# Altium PCB PCB.PcbDoc (part 2 of 3)
Units mm, origin at the board's own origin, x right, y up, seen from the top; angles counter-clockwise.
Board outline 229 x 100 mm, 2 copper layers (Top Layer 1, Bottom Layer 2), stack 1.58 mm thick; 164 components, 97 nets, 426 pads, 699 vias.
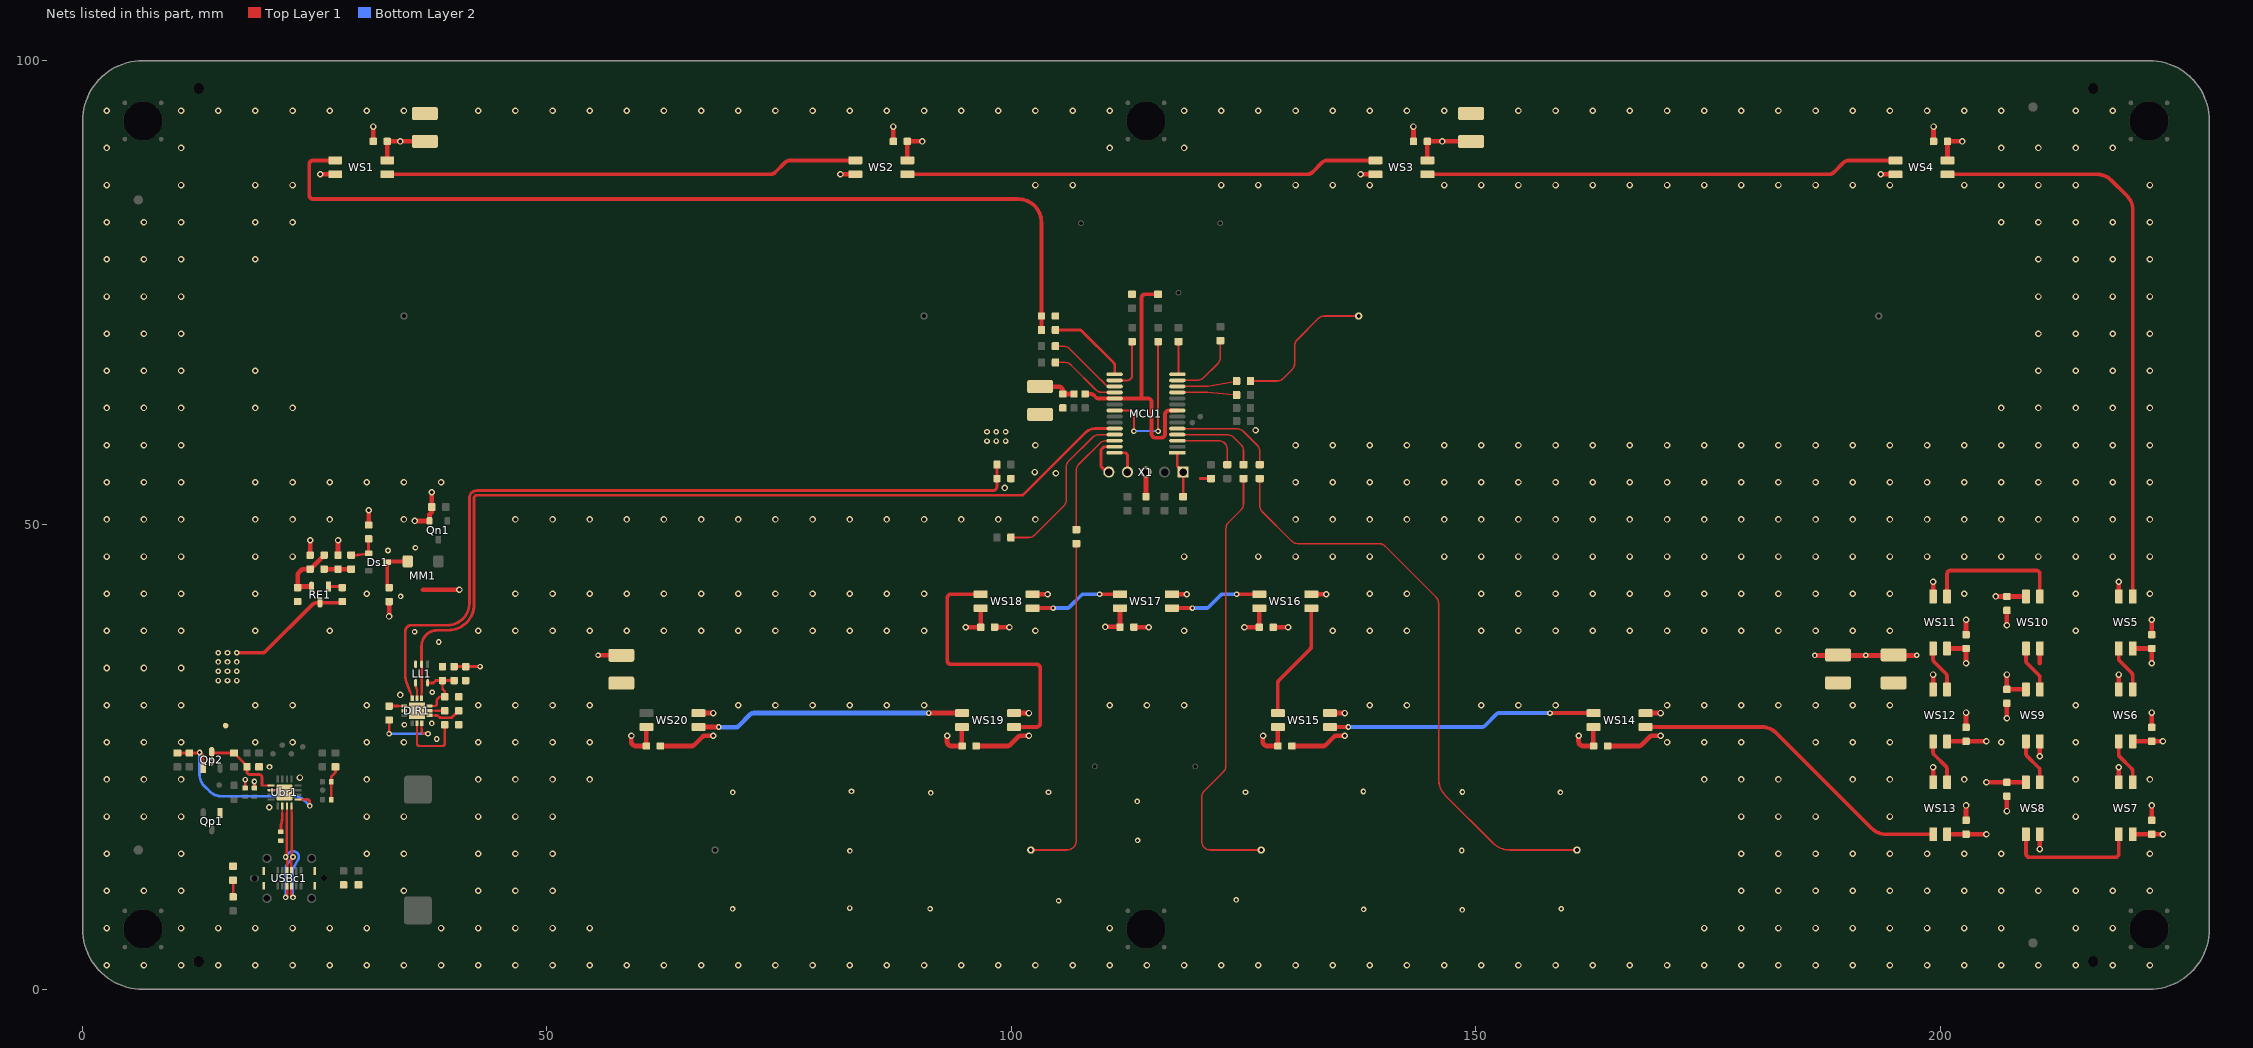
[diagram p2: the nets of this part, all layers, seen from the top]

## Part data (continued)
C5 C18 C19 C20 C21 C22: library part "TANTAL-B 100uF 6.3V (B)", "Tantalum Capacitors 100uF 6.3V CASE-B_3528 RoHS", Case/Package=CASE-B_3528, Lifetime @ Temp=2000Hrs@105℃, Manufacturer 1=AVX, Manufacturer Part Number 1=TAJB107K006RNJ, Supplier Part Number 1=C16133, Voltage=6.3V, Assembly type="Basic Part", Detailed Description="Tantalum Capacitors 100uF 6.3V CASE-B_3528 RoHS", Footprint check status=Verified, HelpURL=https://datasheet.lcsc.com/szlcsc/AVX-TAJB107K006RNJ_C16133.pdf, MountType=SMD, Note="Tantalum Capacitors", Publisher="Catcatcat Electronics", QuantityElements=1, Supplier 1=LCSC, Supplier Unit Price 1=0.1177, Supplier URL 1=https://jlcpcb.com/parts/componentSearch?searchTxt=, website developer=http://catcatcat.d-lan.dp.ua/
C8 C11 C16 C17: library part "0603 1.0 uF 50V (B)", "1.0 uF ±10% 50V X5R", Case/Package=0603, Manufacturer 1="Samsung Electro-Mechanics", Manufacturer Part Number 1=CL10A105KB8NNNC, Operating Temperature="-55C to +125C", Supplier Part Number 1=C15849, Temperature Coefficient=X5R, Tolerance=±10%, Voltage=50V, Assembly type="Basic Part", Detailed Description="50V 1uF X5R ±10% 0603  Multilayer Ceramic Capacitors MLCC - SMD/SMT ROHS", Footprint check status=Verified, HelpURL=https://datasheet.lcsc.com/szlcsc/Samsung-Electro-Mechanics-CL10A105KB8NNNC_C15849.pdf, MountType=SMD, Note="Ceramic Capacitors", Publisher="Catcatcat Electronics", QuantityElements=1, Supplier 1=LCSC, Supplier Unit Price 1=0.0051, Supplier URL 1=https://jlcpcb.com/parts/componentSearch?searchTxt=, website developer=http://catcatcat.d-lan.dp.ua/
C9: library part "0603 2.2 uF 16V (B)", "2.2 uF ±10% 16V X5R", Case/Package=0603, Manufacturer 1="Samsung Electro-Mechanics", Manufacturer Part Number 1=CL10A225KO8NNNC, Operating Temperature="-55C to +125C", Supplier Part Number 1=C23630, Temperature Coefficient=X5R, Tolerance=±10%, Voltage=16V, Assembly type="Basic Part", Detailed Description="16V 2.2uF X5R ±10% 0603  Multilayer Ceramic Capacitors MLCC - SMD/SMT ROHS", Footprint check status=Verified, HelpURL=https://datasheet.lcsc.com/szlcsc/Samsung-Electro-Mechanics-CL10A225KO8NNNC_C23630.pdf, MountType=SMD, Note="Ceramic Capacitors", Publisher="Catcatcat Electronics", QuantityElements=1, Supplier 1=LCSC, Supplier Unit Price 1=0.0059, Supplier URL 1=https://jlcpcb.com/parts/componentSearch?searchTxt=, website developer=http://catcatcat.d-lan.dp.ua/
C23: library part "0603 0.000220 uF (B)", "220 pF ±10% 50V X7R", Case/Package=0603, Manufacturer 1="Samsung Electro-Mechanics", Manufacturer Part Number 1=CL10B221KB8NNNC, Operating Temperature="-55C to +125C", Supplier Part Number 1=C1603, Temperature Coefficient=X7R, Tolerance=±10%, Voltage=50V, Assembly type="Basic Part", Detailed Description="50V 220pF X7R ±10% 0603  Multilayer Ceramic Capacitors MLCC - SMD/SMT ROHS", Footprint check status=Verified, HelpURL=https://datasheet.lcsc.com/lcsc/1810261515_Samsung-Electro-Mechanics-CL10B221KB8NNNC_C1603.pdf, MountType=SMD, Note="Ceramic Capacitors", Publisher="Catcatcat Electronics", QuantityElements=1, Supplier 1=LCSC, Supplier Unit Price 1=0.0074, Supplier URL 1=https://jlcpcb.com/parts/componentSearch?searchTxt=, website developer=http://catcatcat.d-lan.dp.ua/
C44: library part "0402 10 uF 6.3V (B)", "10 uF ±10% 6.3V X7R", Case/Package=0402, Manufacturer 1="Samsung Electro-Mechanics", Manufacturer Part Number 1=CL05A106MQ5NUNC, Operating Temperature="-55C to +125C", Supplier Part Number 1=C15525, Tolerance="±10 %", Voltage=6.3V, Assembly type="Basic Part", Detailed Description="MULTILAYER CERAMIC CAPACITORS MLCC - SMD/SMT 10UF 6.3V 0402 ROHS", Footprint check status=Verified, MountType=SMD, Note="Ceramic Capacitors", Publisher="Catcatcat Electronics", QuantityElements=1, Supplier 1=LCSC, Supplier Unit Price 1=0.0052, Supplier URL 1=https://jlcpcb.com/parts/componentSearch?searchTxt=, website developer=http://catcatcat.d-lan.dp.ua/
C45 C48: library part "0402 0.1 uF 50V (B)", "100 nF ±10% 50V X7R", Case/Package=0402, Manufacturer 1="Guangdong Fenghua Advanced Tech", Manufacturer Part Number 1=CL05B104KB54PNC, Operating Temperature="-55C to +125C", Supplier Part Number 1=C307331, Temperature Coefficient=X7R, Tolerance="±10 %", Voltage=50V, Assembly type="Basic Part", Detailed Description="50V 100nF X7R ±10% 0402 Multilayer Ceramic Capacitors MLCC - SMD/SMT ROHS", Footprint check status=Verified, HelpURL=https://datasheet.lcsc.com/lcsc/1810191222_Samsung-Electro-Mechanics-CL05B104KB54PNC_C307331.pdf, MountType=SMD, Note="Ceramic Capacitors", Publisher="Catcatcat Electronics", QuantityElements=1, Supplier 1=LCSC, Supplier Unit Price 1=0.0065, Supplier URL 1=https://jlcpcb.com/parts/componentSearch?searchTxt=, website developer=http://catcatcat.d-lan.dp.ua/
C46: library part "0603 0.22 uF 25V (B)", "220 nF ±10% 25V X7R", Case/Package=0603, Manufacturer 1="Samsung Electro-Mechanics", Manufacturer Part Number 1=CL10B224KA8NNNC, Operating Temperature="-55C to +125C", Supplier Part Number 1=C21120, Temperature Coefficient=X7R, Tolerance=±10%, Voltage=25V, Assembly type="Basic Part", Detailed Description="25V 220nF X7R ±10% 0603 Multilayer Ceramic Capacitors MLCC - SMD/SMT ROHS", Footprint check status=Verified, HelpURL=https://datasheet.lcsc.com/lcsc/1810261513_Samsung-Electro-Mechanics-CL10B224KA8NNNC_C21120.pdf, MountType=SMD, Note="Ceramic Capacitors", Publisher="Catcatcat Electronics", QuantityElements=1, Supplier 1=LCSC, Supplier Unit Price 1=0.0045, Supplier URL 1=https://jlcpcb.com/parts/componentSearch?searchTxt=, website developer=http://catcatcat.d-lan.dp.ua/
DIR1: library part "PAM8904JPR (E)", "PIEZO SOUNDER DRIVER 18VPP OUTPUT", Case/Package=UQFN3030-12, Manufacturer 1="Diodes Incorporated", Operating Temperature="-40 to +85°C", Output Power=W, Supplier Part Number 1=C780875, Temp.Characteristic="-40°C ~ 85°C (TA)", Voltage="1.8V to 5.5V", Assembly type="Extended Part", Detailed Description="PIEZO SOUNDER DRIVER 18VPP OUTPUT", ECCN=EAR99, Footprint check status=Verified, HelpURL=https://datasheet.lcsc.com/lcsc/2210281000_Diodes-Incorporated-PAM8904JPR_C780875.pdf, Manufacturer Part Number 1=PAM8904JPR, MountType=SMD, Note="A/D converter", Output Impedance=Ohms, Publisher="Catcatcat Electronics", QuantityElements=1, Supplier 1=LCSC, Supplier Unit Price 1=0.4560, Supplier URL 1=https://www.lcsc.com/product-detail/Audio-Power-OpAmps_Diodes-Incorporated-PAM8904JPR_C780875.html, Total Harmonic Distortion=%, website developer=http://catcatcat.d-lan.dp.ua/
Ds1: library part "BAV70 (B)", "Switching SOT-23, 200 mA 70 V", Case/Package=SOT-23, Current=150mA, Manufacturer 1="Changjiang Electronics Tech (CJ)", Reverse Current (uA/5V/25°C)=uA, Supplier Part Number 1=C68978, Temp.Characteristic="-40C to +85C", Voltage="70 V", Assembly type="Basic Part", Detailed Description="70V +150℃@(Tj) 225mW Dual Common Cathode 1.25V@150mA 6ns 2.5uA@70V 200mA SOT-23  Switching Diode ROHS", Footprint check status=Verified, HelpURL=https://datasheet.lcsc.com/lcsc/1809211023_Jiangsu-Changjing-Electronics-Technology-Co---Ltd--BAV70_C68978.pdf, Manufacturer Part Number 1=BAV70, Marking=A4, MountType=SMD, Note=Diode, Publisher="Catcatcat Electronics", QuantityElements=1, Supplier 1=LCSC, Supplier Unit Price 1=0.0195, Supplier URL 1=https://www.lcsc.com/product-detail/Switching-Diode_Jiangsu-Changjing-Electronics-Technology-Co-Ltd-BAV70_C68978.html, website developer=http://catcatcat.d-lan.dp.ua/
FB1 FB2 FB3 FB4: library part "0603 GZ1608D601TF (B)", "0.20A 600 Ohm @100MHz 450 mOhm", Case/Package=0603, Manufacturer 1=Sunlord, Supplier Part Number 1=C1002, Temp.Characteristic="-55°C ~ 125°C", Assembly type="Basic Part", Detailed Description="450mΩ ±25% 600Ω@100MHz 0603  Ferrite Beads ROHS", Footprint check status=Verified, HelpURL=https://datasheet.lcsc.com/lcsc/1811091241_Sunlord-GZ1608D601TF_C1002.pdf, Manufacturer Part Number 1=GZ1608D601TF, MountType=SMD, Note="Ferrite Beads and Chips", Publisher="Catcatcat Electronics", QuantityElements=1, Supplier 1=LCSC, Supplier Unit Price 1=0.0045, Supplier URL 1=https://jlcpcb.com/parts/componentSearch?searchTxt=, website developer=http://catcatcat.d-lan.dp.ua/
FID1 FID2 FID3 FID4: library part "Fiducial marker Top", "For Assembly Top(Bottom) Layer", Case/Package="Fiducial Marker", Assembly type="Fiducial Marker", Footprint check status=Verified, Manufacturer Part Number 1="Fiducial Marker", Note="Fiducial marker", Publisher="Catcatcat Electronics", Supplier 1=LCSC, Supplier URL 1=https://jlcpcb.com/parts/componentSearch?searchTxt=, website developer=http://catcatcat.d-lan.dp.ua/
GS1: library part _S_Project, "Graphic symbol for marking on a PCB", Assembly type="Graphic symbol", Case/Package="Graphic symbol", Footprint check status=Verified, Manufacturer Part Number 1="Graphic symbol", Note="Graphic symbol", Publisher="Catcatcat Electronics", Supplier URL 1=https://jlcpcb.com/parts/componentSearch?searchTxt=, website developer=http://catcatcat.d-lan.dp.ua/
GS2: library part _S_JLC, "Graphic symbol for marking on a PCB", Assembly type="Graphic symbol", Case/Package="Graphic symbol", Footprint check status=Verified, Manufacturer Part Number 1="Graphic symbol", Note="Graphic symbol", Publisher="Catcatcat Electronics", Supplier URL 1=https://jlcpcb.com/parts/componentSearch?searchTxt=, website developer=http://catcatcat.d-lan.dp.ua/
GS3: library part _S_PF, "Graphic symbol for marking on a PCB", Assembly type="Graphic symbol", Case/Package="Graphic symbol", Footprint check status=Verified, Manufacturer Part Number 1="Graphic symbol", Note="Graphic symbol", Publisher="Catcatcat Electronics", Supplier URL 1=https://jlcpcb.com/parts/componentSearch?searchTxt=, website developer=http://catcatcat.d-lan.dp.ua/
GS4: library part _S_TR, "Graphic symbol for marking on a PCB", Assembly type="Graphic symbol", Case/Package="Graphic symbol", Footprint check status=Verified, Manufacturer Part Number 1="Graphic symbol", Note="Graphic symbol", Publisher="Catcatcat Electronics", Supplier URL 1=https://jlcpcb.com/parts/componentSearch?searchTxt=, website developer=http://catcatcat.d-lan.dp.ua/
GS5: library part _S_R, "Graphic symbol for marking on a PCB", Assembly type="Graphic symbol", Case/Package="Graphic symbol", Footprint check status=Verified, Manufacturer Part Number 1="Graphic symbol", Note="Graphic symbol", Publisher="Catcatcat Electronics", Supplier URL 1=https://jlcpcb.com/parts/componentSearch?searchTxt=, website developer=http://catcatcat.d-lan.dp.ua/
GS6: library part _S_ATTENTION2, "Graphic symbol for marking on a PCB", Assembly type="Graphic symbol", Case/Package="Graphic symbol", Footprint check status=Verified, Manufacturer Part Number 1="Graphic symbol", Note="Graphic symbol", Publisher="Catcatcat Electronics", Supplier URL 1=https://jlcpcb.com/parts/componentSearch?searchTxt=, website developer=http://catcatcat.d-lan.dp.ua/
GS7: library part _S_SE, "Graphic symbol for marking on a PCB", Assembly type="Graphic symbol", Case/Package="Graphic symbol", Footprint check status=Verified, Manufacturer Part Number 1="Graphic symbol", Note="Graphic symbol", Publisher="Catcatcat Electronics", Supplier URL 1=https://jlcpcb.com/parts/componentSearch?searchTxt=, website developer=http://catcatcat.d-lan.dp.ua/
LD1 LD3 LD4: library part "KT-0603R (B)", "0603 Red 520~625NM 90~100MCD@20MA Top View RoHS", Case/Package=0603, Manufacturer 1="Hubei KENTO Elec", Millicandela Rating=30~50mcd@5mA, Operating Temperature=-40°C~+85°C, Supplier Part Number 1=C2286, Temp.Characteristic="-40C to +85C", Assembly type="Basic Part", Detailed Description="-40℃~+85℃ Red 0603  Light Emitting Diodes (LED) ROHS", Footprint check status=Verified, HelpURL=https://datasheet.lcsc.com/szlcsc/Hubei-KENTO-Elec-KT-0603R_C2286.pdf, Manufacturer Part Number 1=KT-0603R, MountType=SMD, Note="LED Red", Publisher="Catcatcat Electronics", QuantityElements=1, Supplier 1=LCSC, Supplier Unit Price 1=0.0053, Supplier URL 1=https://www.lcsc.com/product-detail/Light-Emitting-Diodes-LED_Hubei-KENTO-Elec-KT-0603R_C2286.html, Wavelength(Range or typical)=619~625nm, website developer=http://catcatcat.d-lan.dp.ua/
LD2 LD5: library part "19-213/Y2C-CQ2R2L/3T(CY) (B)", "0603 Yellow Colorless transparence -40℃~+85℃ 585.5nm~591.5nm yellow 120° 60mW 0603  Light Emitting Diodes (LED) ROHS", Case/Package=0603, Manufacturer 1="Everlight Elec", Manufacturer Part Number 1=19-213/Y2C-CQ2R2L/3T(CY), Millicandela Rating=90~180mcd@20mA, Supplier Part Number 1=C72038, Temp.Characteristic="-40C to +85C", Assembly type="Basic Part", Detailed Description="Colorless transparence -40℃~+85℃ 585.5nm~591.5nm yellow 120° 60mW 0603  Light Emitting Diodes (LED) ROHS", Footprint check status=Verified, HelpURL=https://datasheet.lcsc.com/lcsc/1810101813_Everlight-Elec-19-213-Y2C-CQ2R2L-3T-CY_C72038.pdf, MountType=SMD, Note="Light Emitting Diodes", Publisher="Catcatcat Electronics", QuantityElements=1, Supplier 1=LCSC, Supplier Unit Price 1=0.0195, Supplier URL 1=https://www.lcsc.com/product-detail/Light-Emitting-Diodes-LED_Everlight-Elec-19-213-Y2C-CQ2R2L-3T-CY_C72038.html, Wavelength(Range or typical)=585.5~591.5nm, website developer=http://catcatcat.d-lan.dp.ua/
LL1: library part "74AHC1G04GW,125 (E)", "IC INVERTER 1CH 1-INP 5TSSOP", Case/Package="5-TSSOP, SC-70-5, SOT-353", Manufacturer 1="Nexperia USA Inc.", Operating Temperature="-40°C ~ 125°C (TA)", Supplier Part Number 1=C148197, Voltage="2 V ~ 5.5 V", Assembly type="Extended Part", Detailed Description="Inverter IC 1 Channel  5-TSSOP", Footprint check status=Verified, HelpURL=https://assets.nexperia.com/documents/data-sheet/74AHC_AHCT1G04.pdf, Manufacturer Part Number 1=74AHC1G04GW,125, MountType=SMD, Note="Inverter IC 1 Channel", Publisher="Catcatcat Electronics", QuantityElements=1, Supplier 1=LCSC, Supplier Unit Price 1=0.0493, Supplier URL 1=https://www.digikey.com/product-detail/en/nexperia-usa-inc/74AHC1G04GW125/1727-3147-2-ND/1022776, website developer=http://catcatcat.d-lan.dp.ua/
MCU1: library part "PIC18F27Q84-I/SS (E)", "SSOP-28, 128KB 1.8V~5.5V PIC 64MHz 25 SSOP-28-208mil Microcontroller Units (MCUs/MPUs/SOCs) ROHS", Case/Package=SSOP-28-208mil, Manufacturer 1="Microchip Tech", Operating Temperature=-40℃~+85℃, Supplier Part Number 1=C2987163, Temp.Characteristic="-40C to +85C", Voltage=1.8V~5.5V, Assembly type="Extended Part", Detailed Description="SSOP-28-208mil  Microcontroller Units (MCUs/MPUs/SOCs) ROHS", ECCN=EAR99, Footprint check status=Verified, HelpURL=https://ww1.microchip.com/downloads/aemDocuments/documents/MCU08/ProductDocuments/DataSheets/PIC18F27-47-57Q84-Data-Sheet-40002213D.pdf, Manufacturer Part Number 1=PIC18F27Q84-I/SS, Manufacturer URL=https://www.microchip.com/en-us/product/PIC18F27Q84, MountType=SMD, Note=Microcontroller, Publisher="Catcatcat Electronics", QuantityElements=1, Speed=64MHz, Supplier 1=LCSC, Supplier Unit Price 1=3.1065, Supplier URL 1=https://www.lcsc.com/product-detail/Microcontroller-Units-MCUs-MPUs-SOCs_Microchip-Tech-PIC18F27Q84-I-SS_C2987163.html, website developer=http://catcatcat.d-lan.dp.ua/
MM1: library part "Z3OC1T8219731 (E)", "DC Motor Vibration, ROHS", Case/Package=SMD, Manufacturer 1=KOTL, Supplier Part Number 1=C2894731, Voltage=2-3.6V, Assembly type="Extended Part", Footprint check status=Verified, HelpURL=https://www.endrich.com/sixcms/media.php/2/Z30C1T8219651.pdf, Manufacturer Part Number 1=Z3OC1T8219731, MountType=Plug-in, Note="Micro Motor & Motor ROHS", Publisher="Catcatcat Electronics", QuantityElements=1, Supplier 1=LCSC, Supplier Unit Price 1=0.6504, website developer=http://catcatcat.d-lan.dp.ua/
PBZ1: library part "KLJ-1102 (E)", "Piezoelectric buzzer, Externally Driven 70dB@5V,10cm Externally Driven SMD,9x11mm  Buzzers ROHS", Case/Package=SMD,9x11mm, Current=≤120mA, Manufacturer 1=KELIKING, Operating Temperature="-20 ~ +80", Supplier Part Number 1=C201047, Voltage=5V, Assembly type="Extended Part", Detailed Description="Externally Driven 70dB@5V,10cm Externally Driven SMD,9x11mm  Buzzers ROHS", Footprint check status=Verified, HelpURL=https://datasheet.lcsc.com/lcsc/1808301123_KELIKING-KLJ-1102_C201047.pdf, Manufacturer Part Number 1=KLJ-1102, MountType=SMD, Note="Piezoelectric buzzer", Publisher="Catcatcat Electronics", QuantityElements=1, Sound Pressure Level (dB/min.)=≥75dB, Supplier 1=LCSC, Supplier Unit Price 1=0.4680, Supplier URL 1=https://www.lcsc.com/product-detail/Buzzers_KELIKING-KLJ-1102_C201047.html, website developer=http://catcatcat.d-lan.dp.ua/
PSE1 PSE2 PSE3 PSE4 PSE5: "Proximity sensor,", Case/Package=d2mm, Assembly type="PCB component", Footprint check status=Verified, Publisher="Catcatcat Electronics", website developer=http://catcatcat.d-lan.dp.ua/
Qn1: library part "2N7002 (B)", "N-Channel SOT-23 60V 115mA 200mW 7.5Ω@10V,500mA 2.5V@250uA  SOT-23(SOT-23-3)  MOSFETs ROHS", Case/Package=SOT-23, Manufacturer 1="Changjiang Electronics Tech (CJ)", Operating Temperature="-55°C ~ 150°C (TJ)", Supplier Part Number 1=C8545, Temp.Characteristic="-40C to +85C", Voltage=60V, Assembly type="Basic Part", Detailed Description="60V 115mA 200mW 7.5Ω@10V,500mA 2.5V@250uA N Channel SOT-23(SOT-23-3)  MOSFETs ROHS", Footprint check status=Verified, HelpURL=https://datasheet.lcsc.com/szlcsc/Changjiang-Electronics-Tech-CJ-2N7002_C8545.pdf, Manufacturer Part Number 1=2N7002, Marking=7002, MountType=SMD, Note=Transistor, Publisher="Catcatcat Electronics", QuantityElements=1, Supplier 1=LCSC, Supplier Unit Price 1=0.0139, Supplier URL 1=https://jlcpcb.com/parts/componentSearch?searchTxt=C8545, website developer=http://catcatcat.d-lan.dp.ua/
Qp1 Qp2: library part "AO3401A (B)", "P-Channel SOT-23-3L 30V 4A 44mΩ@10V,4.3A 1.4W 1.3V@250uAl SOT-23-3L  MOSFETs ROHS", Case/Package=SOT-23-3L, Current=4A, Manufacturer 1="Alpha & Omega Semicon", Operating Temperature=-55℃~+150℃@(Tj), Supplier Part Number 1=C15127, Temp.Characteristic="-40C to +85C", Voltage="30V 4A", Assembly type="Basic Part", Detailed Description="30V 4A 44mΩ@10V,4.3A 1.4W P Channel SOT-23  MOSFETs ROHS", Footprint check status=Verified, HelpURL=https://datasheet.lcsc.com/szlcsc/Alpha-Omega-Semicon-AOS-AO3401A_C15127.pdf, Manufacturer Part Number 1=AO3401A, MountType=SMD, Note=Transistor, Publisher="Catcatcat Electronics", QuantityElements=1, Supplier 1=LCSC, Supplier Unit Price 1=0.0591, Supplier URL 1=https://www.lcsc.com/product-detail/MOSFETs_Alpha-Omega-Semicon-AO3401A_C15127.html, website developer=http://catcatcat.d-lan.dp.ua/
R1 R6: library part "0603 10 kOhm ±1% (B)", "10 k (103) ±1% 1/10W", Case/Package=0603, Manufacturer 1="Uniroyal Elec", Manufacturer Part Number 1=0603WAF1002T5E, Operating Temperature="-55°C ~ 155°C", Power (Watts)=1/10W, Supplier Part Number 1=C25804, Temperature Coefficient=±100ppm/°C, Tolerance=±1%, Voltage=50V, Assembly type="Basic Part", Detailed Description="CHIP RESISTOR - SURFACE MOUNT 10KOHMS ±1% 1/10W 0603 ROHS", Footprint check status=Verified, HelpURL=https://datasheet.lcsc.com/szlcsc/Uniroyal-Elec-0603WAF1002T5E_C25804.pdf, Marking=103, MountType=SMD, Note="Chip Resistor - Surface Mount", Publisher="Catcatcat Electronics", QuantityElements=1, Supplier 1=LCSC, Supplier Unit Price 1=0.0008, Supplier URL 1=https://jlcpcb.com/parts/componentSearch?searchTxt=C25804, website developer=http://catcatcat.d-lan.dp.ua/
R2 R4 R5 R7 R8 R9 R12 R13 R16 R17 R18 R19: library part "0603 1 kOhm ±1% (B)", "1 k (01B) ±1% 1/10W", Case/Package=0603, Manufacturer 1="Uniroyal Elec", Manufacturer Part Number 1=0603WAF1001T5E, Operating Temperature="-55°C ~ 155°C", Power (Watts)=1/10W, Supplier Part Number 1=C21190, Temperature Coefficient=±100ppm/°C, Tolerance=±1%, Voltage=75V, Assembly type="Basic Part", Detailed Description="100mW Thick Film Resistors ±100ppm/℃ ±1% 1kΩ 0603  Chip Resistor - Surface Mount ROHS", Footprint check status=Verified, HelpURL=https://datasheet.lcsc.com/szlcsc/Uniroyal-Elec-0603WAF1001T5E_C21190.pdf, Marking=102, MountType=SMD, Note="Chip Resistor - Surface Mount", Publisher="Catcatcat Electronics", QuantityElements=1, Supplier 1=LCSC, Supplier Unit Price 1=0.0005, Supplier URL 1=https://jlcpcb.com/parts/componentSearch?searchTxt=, website developer=http://catcatcat.d-lan.dp.ua/
R3: library part "0603 33 Ohm ±1% (B)", "33 R (330) ±1% 1/10W 50V", Case/Package=0603, Manufacturer 1="Uniroyal Elec", Manufacturer Part Number 1=0603WAF330JT5E, Operating Temperature="-55°C ~ 155°C", Power (Watts)=1/10W, Supplier Part Number 1=C23140, Temperature Coefficient=±100ppm/°C, Tolerance=±1%, Voltage=50V, Assembly type="Basic Part", Detailed Description="CHIP RESISTOR - SURFACE MOUNT 33OHMS ±1% 1/10W 0603 ROHS", Footprint check status=Verified, HelpURL=https://datasheet.lcsc.com/szlcsc/Uniroyal-Elec-0603WAF330JT5E_C23140.pdf, MountType=SMD, Note="Chip Resistor - Surface Mount", Publisher="Catcatcat Electronics", QuantityElements=1, Supplier 1=LCSC, Supplier Unit Price 1=0.0014, Supplier URL 1=https://jlcpcb.com/parts/componentSearch?searchTxt=, website developer=http://catcatcat.d-lan.dp.ua/
R10 R11: library part "0603 22 Ohm ±1% (B)", "22 R (220) ±1% 1/10W 50V", Case/Package=0603, Manufacturer 1="Uniroyal Elec", Manufacturer Part Number 1=0603WAF220JT5E, Operating Temperature="-55°C ~ 155°C", Power (Watts)=1/10W, Supplier Part Number 1=C23345, Temperature Coefficient=±100ppm/°C, Tolerance=±1%, Voltage=50V, Assembly type="Basic Part", Detailed Description="100mW Thick Film Resistors ±100ppm/℃ ±1% 22Ω 0603  Chip Resistor - Surface Mount ROHS", Footprint check status=Verified, HelpURL=Uniroyal-Elec-0603WAF220JT5E_C23345.pdf, MountType=SMD, Note="Chip Resistor - Surface Mount", Publisher="Catcatcat Electronics", QuantityElements=1, Supplier 1=LCSC, Supplier Unit Price 1=0.0009, Supplier URL 1=https://jlcpcb.com/parts/componentSearch?searchTxt=, website developer=http://catcatcat.d-lan.dp.ua/
R14 R15 R26 R30: library part "0603 2.2 kOhm ±1% (B)", "2.2 k (222) ±1% 1/10W 50V", Case/Package=0603, Manufacturer 1="Uniroyal Elec", Manufacturer Part Number 1=0603WAF2201T5E, Operating Temperature="-55°C ~ 155°C", Power (Watts)=1/10W, Supplier Part Number 1=C4190, Temperature Coefficient=±100ppm/℃, Tolerance=±1%, Voltage=50V, Assembly type="Basic Part", Detailed Description="100mW Thick Film Resistors ±100ppm/℃ ±1% 2.2kΩ 0603  Chip Resistor - Surface Mount ROHS", Footprint check status=Verified, HelpURL=https://datasheet.lcsc.com/szlcsc/Uniroyal-Elec-0603WAF2201T5E_C4190.pdf, Marking=222, MountType=SMD, Note="Chip Resistor - Surface Mount", Publisher="Catcatcat Electronics", QuantityElements=1, Supplier 1=LCSC, Supplier Unit Price 1=0.0009, Supplier URL 1=https://jlcpcb.com/parts/componentSearch?searchTxt=, website developer=http://catcatcat.d-lan.dp.ua/
R20: library part "0603 4.7 Ohm ±1% (B)", "4.7 R (4R7) ±1% 1/10W 75V", Case/Package=0603, Manufacturer 1="UNI-ROYAL(Uniroyal Elec)", Manufacturer Part Number 1=0603WAF470KT5E, Operating Temperature="-55°C ~ 155°C", Power (Watts)=1/10W, Supplier Part Number 1=C23164, Temperature Coefficient=±400ppm/℃, Tolerance=±1%, Voltage=75V, Assembly type="Basic Part", Detailed Description="100mW Thick Film Resistors ±1% ±400ppm/℃ 4.7Ω 0603  Chip Resistor - Surface Mount ROHS", Footprint check status=Verified, HelpURL=https://datasheet.lcsc.com/lcsc/2206010116_UNI-ROYAL-Uniroyal-Elec-0603WAF470KT5E_C23164.pdf, Manufacturer URL=http://uniohm.com/, Marking=4R7, MountType=SMD, Note="Chip Resistor - Surface Mount", Publisher="Catcatcat Electronics", QuantityElements=1, Supplier 1=LCSC, Supplier Unit Price 1=0.0014, Supplier URL 1=https://www.lcsc.com/product-detail/Chip-Resistor-Surface-Mount_UNI-ROYAL-Uniroyal-Elec-0603WAF470KT5E_C23164.html, website developer=http://catcatcat.d-lan.dp.ua/
R21: library part "0603 100 kOhm ±1% (B)", "100 k (104) ±1% 1/10W 50V", Case/Package=0603, Manufacturer 1="UNI-ROYAL(Uniroyal Elec)", Manufacturer Part Number 1=0603WAF1003T5E, Operating Temperature="-55°C ~ 155°C", Power (Watts)=1/10W, Supplier Part Number 1=C25803, Temperature Coefficient="±100 ppm/℃", Tolerance=±1%, Voltage=50V, Assembly type="Basic Part", Detailed Description="100mW Thick Film Resistors ±100ppm/℃ ±1% 100kΩ 0603  Chip Resistor - Surface Mount ROHS", Footprint check status=Verified, HelpURL=https://datasheet.lcsc.com/szlcsc/Uniroyal-Elec-0603WAF1003T5E_C25803.pdf, MountType=SMD, Note="Chip Resistor - Surface Mount", Publisher="Catcatcat Electronics", QuantityElements=1, Supplier 1=LCSC, Supplier Unit Price 1=0.0009, Supplier URL 1=https://jlcpcb.com/parts/componentSearch?searchTxt=C25803, website developer=http://catcatcat.d-lan.dp.ua/
R22 R31: library part "0603 330 Ohm ±1% (B)", "330 R (331) ±5% 1/10W 50V", Case/Package=0603, Manufacturer 1="Uniroyal Elec", Manufacturer Part Number 1=0603WAF3300T5E, Operating Temperature="-55°C ~ 155°C", Power (Watts)=1/10W, Supplier Part Number 1=C23138, Temperature Coefficient=±100ppm/°C, Tolerance=±1%, Voltage=50V, Assembly type="Basic Part", Detailed Description="CHIP RESISTOR - SURFACE MOUNT 330OHMS ±1% 1/10W 0603 ROHS", Footprint check status=Verified, HelpURL=https://datasheet.lcsc.com/szlcsc/Uniroyal-Elec-0603WAF3300T5E_C23138.pdf, Manufacturer URL=http://uniohm.com/, MountType=SMD, Note="Chip Resistor - Surface Mount", Publisher="Catcatcat Electronics", QuantityElements=1, Supplier 1=LCSC, Supplier Unit Price 1=0.0019, Supplier URL 1=https://jlcpcb.com/parts/componentSearch?searchTxt=, website developer=http://catcatcat.d-lan.dp.ua/
R23 R25: library part "0603 0 Ohm ±1% (B)", "0 R (000) ±5% 1/10W 50V", Case/Package=0603, Manufacturer 1="Uniroyal Elec", Manufacturer Part Number 1=0603WAF0000T5E, Operating Temperature="-55°C ~ 155°C", Power (Watts)=1/10W, Supplier Part Number 1=C21189, Temperature Coefficient=±100ppm/°C, Tolerance=±1%, Voltage=50V, Assembly type=DNP, Detailed Description="CHIP RESISTOR - SURFACE MOUNT 0OHMS ±1% 1/10W 0603 ROHS", Footprint check status=Verified, HelpURL=https://datasheet.lcsc.com/szlcsc/Uniroyal-Elec-0603WAF0000T5E_C21189.pdf, MountType=SMD, Note="Chip Resistor - Surface Mount", Publisher="Catcatcat Electronics", QuantityElements=1, Supplier 1=LCSC, Supplier Unit Price 1=0.0016, Supplier URL 1=https://jlcpcb.com/parts/componentSearch?searchTxt=, website developer=http://catcatcat.d-lan.dp.ua/
R24: library part "0402 4.7 kOhm ±1% (B)", "4.7 k (4701)±1% 1/16W 50V", Case/Package=0402, Manufacturer 1="UNI-ROYAL(Uniroyal Elec)", Manufacturer Part Number 1=0402WGF4701TCE, Operating Temperature="-55°C ~ 155°C", Power (Watts)=1/16W, Supplier Part Number 1=C25900, Temperature Coefficient=±100ppm/℃, Tolerance=±1%, Voltage=50V, Assembly type="Basic Part", Detailed Description="±1% 1/16W Thick Film Resistors 50V ±100ppm/℃ -55℃~+155℃ 4.7kΩ 0402 Chip Resistor - Surface Mount ROHS", Footprint check status=Verified, HelpURL=Uniroyal-Elec-0402WGF4701TCE_C25900.pdf, MountType=SMD, Note="Chip Resistor - Surface Mount", Publisher="Catcatcat Electronics", QuantityElements=1, Supplier 1=LCSC, Supplier Unit Price 1=0.0005, Supplier URL 1=https://jlcpcb.com/parts/componentSearch?searchTxt=C25900, website developer=http://catcatcat.d-lan.dp.ua/
R27: library part "0402 10 kOhm ±1% (B)", "10 k ±1% 1/16W 50V", Case/Package=0402, Manufacturer 1="Uniroyal Elec", Manufacturer Part Number 1=0402WGF1002TCE, Operating Temperature="-55°C ~ 155°C", Power (Watts)=1/16W, Supplier Part Number 1=C25744, Temperature Coefficient=±100ppm/°C, Tolerance=±1%, Voltage=50V, Assembly type="Basic Part", Detailed Description="62.5mW Thick Film Resistors ±100ppm/℃ ±1% 10kΩ 0402  Chip Resistor - Surface Mount ROHS", Footprint check status=Verified, HelpURL=https://datasheet.lcsc.com/szlcsc/Uniroyal-Elec-0402WGF1002TCE_C25744.pdf, MountType=SMD, Note="Chip Resistor - Surface Mount", Publisher="Catcatcat Electronics", QuantityElements=1, Supplier 1=LCSC, Supplier Unit Price 1=0.0004, Supplier URL 1=https://jlcpcb.com/parts/componentSearch?searchTxt=C25744, website developer=http://catcatcat.d-lan.dp.ua/
R28: library part "0603 220 kOhm ±1% (B)", "220 k (224) ±5% 1/10W 50V", Case/Package=0603, Manufacturer 1="Uniroyal Elec", Manufacturer Part Number 1=0603WAF2203T5E, Operating Temperature="-55°C ~ 155°C", Power (Watts)=1/10W, Supplier Part Number 1=C22961, Temperature Coefficient=±100ppm/°C, Tolerance=±1%, Voltage=50V, Assembly type="Basic Part", Detailed Description="CHIP RESISTOR - SURFACE MOUNT 220KOHMS ±1% 1/10W 0603 ROHS", Footprint check status=Verified, HelpURL=https://datasheet.lcsc.com/szlcsc/Uniroyal-Elec-0603WAF1603T5E_C22813.pdf, Marking=224, MountType=SMD, Note="Chip Resistor - Surface Mount", Publisher="Catcatcat Electronics", QuantityElements=1, Supplier 1=LCSC, Supplier Unit Price 1=0.0016, Supplier URL 1=https://jlcpcb.com/parts/componentSearch?searchTxt=, website developer=http://catcatcat.d-lan.dp.ua/